# Altium PCB Battery_Converter.PcbDoc (part 1 of 2) (continued)
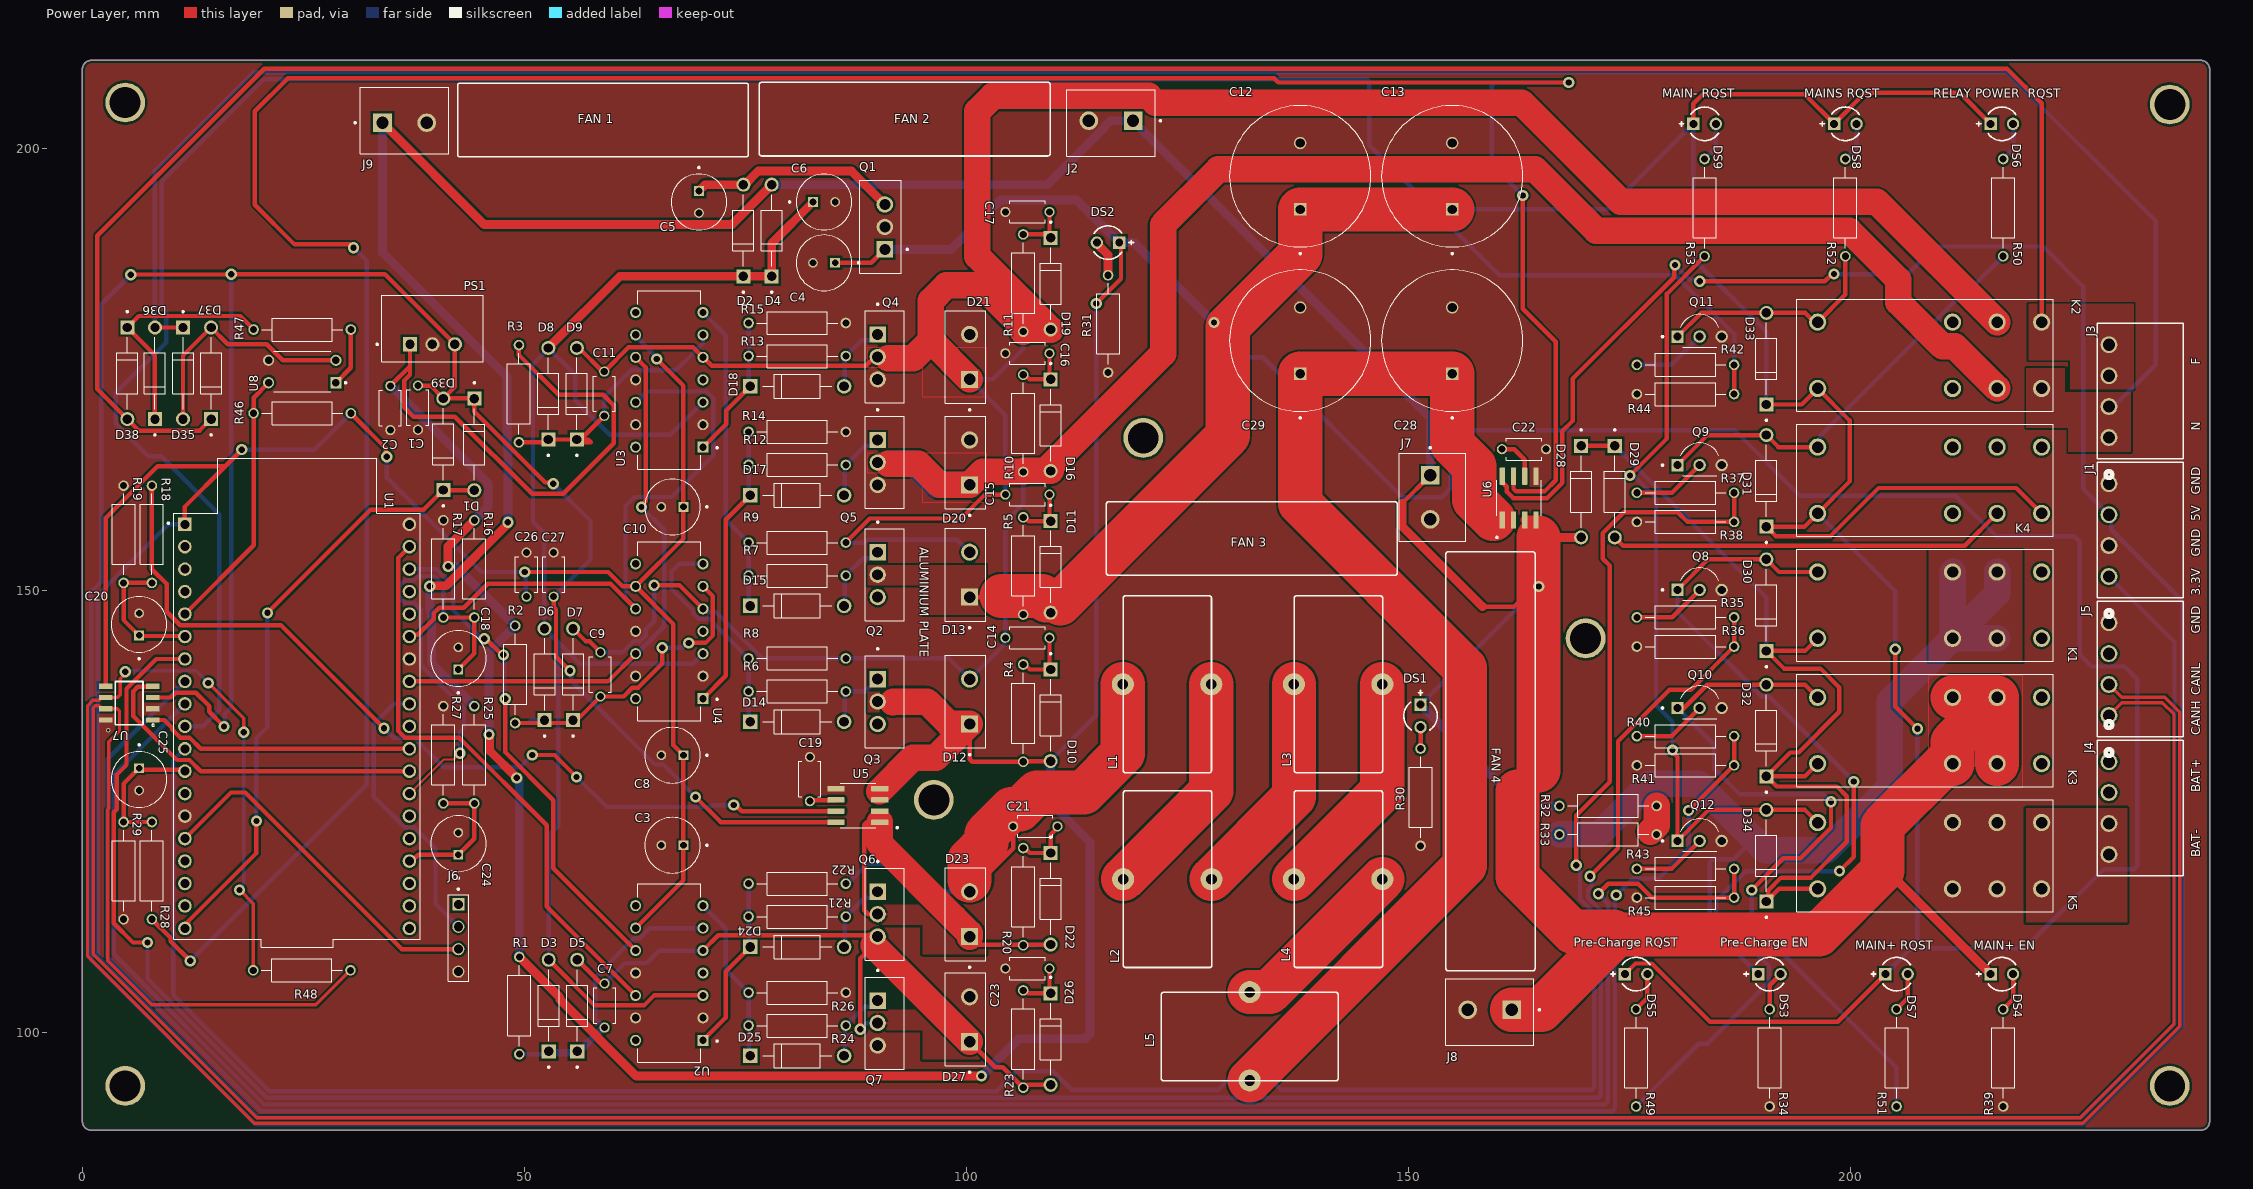
[diagram p0: Power Layer view]
## Components (designator, comment, footprint, x,y, rotation, side; value= is the part's Value field where it differs from the comment) (continued)
? "M3 Mounting Hole" "M3 - Mounting Hole"#1 96.317,126.263 r90 top
? "M3 Mounting Hole" "M3 - Mounting Hole"#1 120.015,167.208 r0 top
? "M3 Mounting Hole" "M3 - Mounting Hole"#2 235.894,204.931 r0 top
? "M3 Mounting Hole" "M3 - Mounting Hole"#1 236.144,93.9 r0 top
? "M3 Mounting Hole" "M3 - Mounting Hole"#1 4.836,205.156 r0 top
? "M3 Mounting Hole" "M3 - Mounting Hole"#3 9.169,93.066 r0 top

## Footprints (in the part's own frame and the unit in brackets; to place one, negate y for a bottom-side part, rotate by r counter-clockwise, add the part's x,y. Pads: shape width x height; smd on the part's side, far side on the other; paste and mask are expansions set on the pad)
"1N4007 DIODE" [mm]
  round 1.65 hole 1.1: A(5.3,0)
  rect 1.65x1.65 / inner round 1.65 / far side rect 1.65x1.65 hole 1.1: C(-5.3,0)
  silkscreen extent -3.9,-1.35 3.9,1.35, body extent -4.24,-1 4.24,1, height 2
"4-POS 2.54mm Header" [mm]
  rect 1.37x1.37 hole 1.02: 1(0,0)
  round 1.37 hole 1.02: 2(2.54,0) 3(5.08,0) 4(7.62,0)
  silkscreen extent -1.82,-1.17 8.69,1.17
"4P - Right 3.5mm Industrial Connector" [mil]
  round 75 / inner round 60 / far side round 75 hole 55 paste-99999 mask+0: 1(0,0) 2(137.8,0) 3(275.59,0) 4(413.39,0)
  silkscreen extent -180,-332 509,52, body extent -80,-317 494,45, height 274
2200uF_Cap [mm]
  round 1.4 hole 1.05: N(3.75,0)
  rect 1.4x1.4 hole 1.05: P(-3.75,0)
  silkscreen extent -8.85,-8 8,8, body extent -8,-8 8,8, height 31.5
ACS712 [mm]
  rrect25% 1.97x0.6 smd: 1(-2.475,1.905) 2(-2.475,0.635) 3(-2.475,-0.635) 4(-2.475,-1.905) 5(2.475,-1.905) 6(2.475,-0.635) 7(2.475,0.635) 8(2.475,1.905)
  silkscreen extent -4.54,-2.53 2,2.6, body extent -3,-2.45 3,2.45, height 1.75
bc548 [mm]
  rect 1.4x1.4 hole 0.93: 1(-2.5,-0.655)
  round 1.4 hole 0.93: 2(0,-0.655) 3(2.5,-0.655)
  silkscreen extent -4.3,-1.85 2.18,1.85, body extent -2.4,-1.53 2.4,2.4, height 7.74
CAP_10uF [mm]
  round 1.1 hole 0.75: N(1.25,0)
  rect 1.1x1.1 hole 0.75: P(-1.25,0)
  silkscreen extent -4,-3.15 3.15,3.15, body extent -3.15,-3.15 3.15,3.15, height 11.2
"Ceramic Capacitor" [mm] "22pF"
  round 1.15 hole 0.8: 1(-2.5,0) 2(2.5,0)
  silkscreen extent -2,-1.25 2,1.25, body extent -2.75,-1.25 2.75,1.25, height 5.5
"Coil 65125" [mm]
  round 2.5 hole 1.2: 1(0,0) 2(10,0)
  silkscreen extent 0.03,-10 10.03,10
"Common Trhough Hole" [mm]
  rect 1.59x1.59 / inner round 1.59 / far side rect 1.59x1.59 hole 1.06: 1(-5.18,0)
  round 1.59 hole 1.06: 2(5.18,0)
  silkscreen extent -7.07,-1.19 4.07,1.19, body extent -5.29,-1.36 5.29,1.36, height 2.72
CONV_R-78K5.0-0.5 [mm]
  rect 1.605x1.605 / inner round 1.605 / far side rect 1.605x1.605 hole 1.07: 1(-2.54,-1.775)
  round 1.605 hole 1.07: 2(0,-1.775) 3(2.54,-1.775)
  silkscreen extent -6.35,-3.77 5.75,3.77, body extent -5.75,-3.77 5.75,3.77, height 10.2
IR2110 [mm]
  rect 1.25x1.25 / inner round 1.25 / far side rect 1.25x1.25 hole 0.83: 1(-3.81,7.62)
  round 1.25 hole 0.83: 2(-3.81,5.08) 3(-3.81,2.54) 4(-3.81,0) 5(-3.81,-2.54) 6(-3.81,-5.08) 7(-3.81,-7.62) 8(3.81,-7.62) 9(3.81,-5.08) 10(3.81,-2.54) 11(3.81,0) 12(3.81,2.54) 13(3.81,5.08) 14(3.81,7.62)
  silkscreen extent -5.5,-10.1 3.56,10.1, body extent -3.96,-9.65 3.96,9.65, height 5.33
IRF530N [mm]
  rect 1.845x1.845 hole 1.23: 1(-2.54,-0.81)
  round 1.845 hole 1.23: 2(0,-0.81) 3(2.54,-0.81)
  silkscreen extent -6.06,-2.22 5.21,2.22, body extent -5.21,-2.22 5.21,2.22, height 19.3
KF301-2P [mm]
  rect 2.1x2.1 hole 1.4: 1(-2.5,0)
  round 2.1 hole 1.4: 2(2.5,0)
  silkscreen extent -5.7,-3.5 5,4, body extent -5,-3.2 5,4.5, height 10
LED3mm [mm] "THD, 2-Leads, Dia 3.8mm, Pitch 2.54mm"
  rect 1.4x1.4 hole 0.9: 1(-1.27,0)
  round 1.4 hole 0.9: 2(1.27,0)
  silkscreen extent -2.87,-1.9 1.58,1.9, body extent -1.9,-1.9 1.9,1.9, height 6.5
LM7805CT [mm]
  rect 1.86x1.86 hole 1.24: 1(-2.54,0)
  round 1.86 hole 1.24: 2(0,0) 3(2.54,0)
  silkscreen extent -5.27,-2.64 5.27,2.86
"M3 - Mounting Hole"#1 [mm]
  round 4.5 / inner round 1.524 / far side round 4.5 hole 3.5: 1(0,0)
"M3 - Mounting Hole"#2 [mm]
  round 4.5 / inner round 1.524 / far side round 4.5 hole 3.5: 1(0.254,0)
"M3 - Mounting Hole"#3 [mm]
  round 4.5 / inner round 1.524 / far side round 4.5 hole 3.5: 1(-4.333,0.834)
MBR10100 [mm]
  rect 1.94x1.94 / inner round 1.94 / far side rect 1.94x1.94 hole 1.29: 1(-2.54,-0.453)
  round 1.94 hole 1.29: 3(2.54,-0.453)
  silkscreen extent -6.1,-2.3 5.25,2.3, body extent -4.98,-1.78 4.98,2.66, height 19.05
MCP2562-E/SN [mm]
  rect 1.5x0.6 smd: 1(-2.65,1.905) 2(-2.65,0.635) 3(-2.65,-0.635) 4(-2.65,-1.905) 5(2.65,-1.905) 6(2.65,-0.635) 7(2.65,0.635) 8(2.65,1.905)
  silkscreen extent -2.84,-2.45 1.58,2.64
MODULE_ESP32-DEVKITC-32U [mm]
  rect 1.53x1.53 / inner round 1.53 / far side rect 1.53x1.53 hole 1.02 mask+0.05: 1(-12.7,22.85)
  round 1.53 hole 1.02 mask+0.05: 2(-12.7,20.31) 3(-12.7,17.77) 4(-12.7,15.23) 5(-12.7,12.69) 6(-12.7,10.15) 7(-12.7,7.61) 8(-12.7,5.07) 9(-12.7,2.53) 10(-12.7,-0.01) 11(-12.7,-2.55) 12(-12.7,-5.09) 13(-12.7,-7.63) 14(-12.7,-10.17) 15(-12.7,-12.71) 16(-12.7,-15.25) 17(-12.7,-17.79) 18(-12.7,-20.33) 19(-12.7,-22.87) 20(12.7,-22.87) 21(12.7,-20.33) 22(12.7,-17.79) 23(12.7,-15.25) 24(12.7,-12.71) 25(12.7,-10.17) 26(12.7,-7.63) 27(12.7,-5.09) 28(12.7,-2.55) 29(12.7,-0.01) 30(12.7,2.53) 31(12.7,5.07) 32(12.7,7.61) 33(12.7,10.15) 34(12.7,12.69) 35(12.7,15.23) 36(12.7,17.77) 37(12.7,20.31) 38(12.7,22.85)
  silkscreen extent -14.67,-25 13.95,30.3, body extent -13.95,-24.62 13.95,30.3, height 7.95
PC817 [mm]
  rect 1.26x1.26 / inner round 1.26 / far side rect 1.26x1.26 hole 0.84: 1(-3.81,1.27)
  round 1.26 hole 0.84: 2(-3.81,-1.27) 3(3.81,-1.27) 4(3.81,1.27)
  silkscreen extent -5.01,-2.3 3.25,2.3, body extent -3.94,-2.3 3.94,2.3, height 4.55
"Relay socket 8pin" [mm]
  round 1.95 hole 1.3: 11(7.63,-3.75) 12(2.59,-3.75) 14(12.67,-3.75) 21(7.63,3.75) 22(2.59,3.75) 24(12.67,3.75) A1(-12.67,-3.75) A2(-12.67,3.75)
  silkscreen extent -15.02,-6.35 13.98,6.35, body extent -15.48,-6.2 15.48,6.45, height 8.9
"Resistor_Through Hole" [mm]
  round 1.2 hole 0.8: 1(-5.5,0) 2(5.5,0)
  silkscreen extent -4.58,-1.3 4.58,1.3, body extent -5.84,-1.29 5.71,1.29, height 2.6

## Part data
C1 C2 C14 C15 C16 C17 C21 C23 C26 C27: Package="0805 AVX", Availability="In Stock", Check_prices=https://www.snapeda.com/parts/LD051A121KAB2A/AVX/view-part/?ref=eda, MF=AVX, MP=LD051A121KAB2A, Price=None, Purchase-URL=https://pricing.snapeda.com/search/part/LD051A121KAB2A/?ref=eda, SnapEDA_Link=https://www.snapeda.com/parts/LD051A121KAB2A/AVX/view-part/?ref=snap
C3 C4 C6 C8 C10 C12 C13 C18 C20 C24 C25 C28 C29: "CAP ALUM 10UF 20% 50V RADIAL", Package="RADIAL-2 Panasonic", Availability="In Stock", Check_prices=https://www.snapeda.com/parts/ECE-A1HN100UI/Panasonic/view-part/2321690/?ref=eda, MF=Panasonic, MP=ECE-A1HN100UI, Price=None, SnapEDA_Link=https://www.snapeda.com/parts/ECE-A1HN100UI/Panasonic/view-part/2321690/?ref=snap
C5: library part "10uF Cap", "CAP ALUM 10UF 20% 50V RADIAL", Package="RADIAL-2 Panasonic", Availability="In Stock", Check_prices=https://www.snapeda.com/parts/ECE-A1HN100UI/Panasonic/view-part/2321690/?ref=eda, MF=Panasonic, MP=ECE-A1HN100UI, Price=None, SnapEDA_Link=https://www.snapeda.com/parts/ECE-A1HN100UI/Panasonic/view-part/2321690/?ref=snap
C7 C9 C11 C19 C22: library part "Ceramic Capacitor", Package="0805 AVX", Availability="In Stock", Check_prices=https://www.snapeda.com/parts/LD051A121KAB2A/AVX/view-part/?ref=eda, MF=AVX, MP=LD051A121KAB2A, Price=None, Purchase-URL=https://pricing.snapeda.com/search/part/LD051A121KAB2A/?ref=eda, SnapEDA_Link=https://www.snapeda.com/parts/LD051A121KAB2A/AVX/view-part/?ref=snap
D1 D2 D4 D12 D13 D20 D21 D23 D27 D39: Package="DO-41 Diodes Inc.", Availability="In Stock", Check_prices=https://www.snapeda.com/parts/1N5817-T/Diodes+Inc./view-part/?ref=eda, MF="Diodes Inc.", MP=1N5817-T, Price=None, Purchase-URL=https://pricing.snapeda.com/search/part/1N5817-T/?ref=eda, SnapEDA_Link=https://www.snapeda.com/parts/1N5817-T/Diodes+Inc./view-part/?ref=snap
D3 D6 D8 D28 D29: library part "Normal Diode", Package="DO-41 NTE Electronics", Availability="In Stock", Check_prices=https://www.snapeda.com/parts/1N4007/NTE+Electronics/view-part/?ref=eda, MF="NTE Electronics, Inc.", MP=1N4007, Price=None, Purchase-URL=https://pricing.snapeda.com/search/part/1N4007/?ref=eda, SnapEDA_Link=https://www.snapeda.com/parts/1N4007/NTE+Electronics/view-part/?ref=snap
D5 D7 D9: library part "Zener Diode", Package="SMA-2 Taiwan Semiconductor", Availability="In Stock", Check_prices=https://www.snapeda.com/parts/1SMA5926/Taiwan+Semiconductor/view-part/?ref=eda, MF="Taiwan Semiconductor", MP=1SMA5926, Price=None, Purchase-URL=https://pricing.snapeda.com/search/part/1SMA5926/?ref=eda, SnapEDA_Link=https://www.snapeda.com/parts/1SMA5926/Taiwan+Semiconductor/view-part/?ref=snap
D10 D11 D16 D19 D22 D26 D30 D31 D32 D33 D34 D35 D36 D37 D38: Package="DO-41 NTE Electronics", Availability="In Stock", Check_prices=https://www.snapeda.com/parts/1N4007/NTE+Electronics/view-part/?ref=eda, MF="NTE Electronics, Inc.", MP=1N4007, Price=None, Purchase-URL=https://pricing.snapeda.com/search/part/1N4007/?ref=eda, SnapEDA_Link=https://www.snapeda.com/parts/1N4007/NTE+Electronics/view-part/?ref=snap
D14 D15 D17 D18 D24 D25: library part 1N4007, "Diode Standard 1000 V 1A Through Hole DO-41", Package="DO-41 NTE Electronics", Availability="In Stock", Check_prices=https://www.snapeda.com/parts/1N4007/NTE+Electronics/view-part/?ref=eda, MF="NTE Electronics, Inc.", MP=1N4007, Price=None, Purchase-URL=https://pricing.snapeda.com/search/part/1N4007/?ref=eda, SnapEDA_Link=https://www.snapeda.com/parts/1N4007/NTE+Electronics/view-part/?ref=snap
DS1 DS2 DS3 DS4 DS5 DS6 DS7 DS8 DS9: library part "RED_LED 3mm", "Radial LED, 12.6 mcd, 20 mA, 2 V, -55 to 100 degC, 2-Pin THD, RoHS, Bulk", Case\Package=Radial, Current Rating="3.6 A", Max Operating Temperature="130 degC", Min Operating Temperature="-40 degC", Package Quantity=55, Resistance="0.045 Ohm", Tolerance=20%, ComponentLink1Description="Manufacturer URL", ComponentLink1URL=http://www.us.liteon.com/, ComponentLink2Description=Datasheet, ComponentLink2URL=https://datasheet.ciiva.com/15117/getdatasheetpartid-187746-15117985.pdf, DatasheetVersion=Dec-03, Height="1.1 inch", Lead Pitch="11.44 mm", Length="0.97 inch", Mount="Through Hole", PackageDescription="2-Pin Through Hole Device, Dia 3.8 mm, Pitch 2.54 mm", PackageReference=LTL-1CHE, Packaging=Tray, Radiation Hardening=No, RoHSCompliant=true, Shielding=Unshielded, Width="0.62 inch"
J1 J3 J4 J5 J6 Q1: Package=None, Availability=Unavailable, Price=None
  J1 J3 J4 J5 J6: MP=5-146290-4
  Q1: MP=LM7805CT/NOPB
J2 J7 J8 J9: "2 Pin Terminal Block 5mm Pitch", Package=None, Availability=Unavailable, MP=KF301-2P, Price=None
K1 K2 K3 K4 K5: "General Purpose Relay DPDT _2 Form C_ 24VDC Coil Through Hole", Package=None, Availability=Unavailable, MF="TE Connectivity", MP=1-1393243-0, Price=None, SnapEDA_Link=https://www.snapeda.com/parts/1-1393243-0/TE%20Connectivity%20Potter%20&%20Brumfield%20Relays/view-part/244556/?ref=snap
L1 L2 L3 L4 L5: "Inductor Power Wirewound 470uH 10% 1KHz 25Q-Factor Ferrite 210mA 3.3Ohm DCR T/R", Package="Nonstandard Bourns", Digi-Key_Part_Number=SDR0604-471KLCT-ND, Digi-Key_Purchase_URL=https://www.digikey.com/product-detail/en/bourns-inc/SDR0604-471KL/SDR0604-471KLCT-ND/2352941?utm_source=snapeda&utm_medium=aggregator&utm_campaign=symbol, MF=Bourns, MP=SDR0604-471KL, SnapEDA_Link=https://www.snapeda.com/parts/SDR0604-471KL/Bourns/view-part/567387/?ref=snap
PS1: "0.5A DC/DC-Converter 'INNOLINE' SIP3 reg", Package=None, Availability="In Stock", Check_prices=https://www.snapeda.com/parts/R-78K5.0-0.5/Recom+Power/view-part/?ref=eda, MF="Recom Power", MP=R-78K5.0-0.5, Price=None, Purchase-URL=https://pricing.snapeda.com/search/part/R-78K5.0-0.5/?ref=eda, SnapEDA_Link=https://www.snapeda.com/parts/R-78K5.0-0.5/Recom+Power/view-part/?ref=snap
Q2 Q3 Q4 Q5 Q6 Q7: "RoHS Compliant", Package="TO-220 Infineon", Availability="In Stock", Check_prices=https://www.snapeda.com/parts/IRF530NPBF/Infineon+Technologies/view-part/?ref=eda, MF="Infineon Technologies", MP=IRF530NPBF, Price=None, Purchase-URL=https://pricing.snapeda.com/search/part/IRF530NPBF/?ref=eda, SnapEDA_Link=https://www.snapeda.com/parts/IRF530NPBF/Infineon+Technologies/view-part/?ref=snap
Q8 Q9 Q10 Q11 Q12: "Bipolar (BJT) Transistor NPN 30V 100mA 300MHz 500mW Through Hole TO-92-3", Package="TO-92 ON Semiconductor", Availability=Warning, DigiKey-Purchase-URL=https://snapeda.com/shop?store=DigiKey&id=2007035, MF="ON Semiconductor", MP=BC548, Price=None, SnapEDA_Link=https://www.snapeda.com/parts/BC548/ON%20Semiconductor/view-part/2007035/?ref=snap
R1 R2 R3 R4 R5 R10 R11 R20 R23 R32 R33 R46 R47 R48: Package=0805, Power_Rating=".25 W", Resistance=.33, Tolerance=1%, Availability="In Stock", Check_prices=https://www.snapeda.com/parts/2-2176053-0/TE+Connectivity/view-part/?ref=eda, EU_RoHS_Compliance="Compliant with Exemptions", MF="TE Connectivity", MP=2-2176053-0, Price=None, SnapEDA_Link=https://www.snapeda.com/parts/2-2176053-0/TE+Connectivity/view-part/?ref=snap
R6 R7 R12 R13 R16 R17 R18 R19 R21 R24 R25 R27 R28 R29: library part "Resistor_Through Hole", "1.02 Ohms Â±1% 0.25W, 1/4W Through Hole Resistor Axial Metal Film", Package="Axial Yageo", Availability=Warning, Check_prices=https://www.snapeda.com/parts/MFR-25FTE52-1R/Yageo/view-part/4629919/?ref=eda, MF=Yageo, MP=MFR-25FTE52-1R, Price=None, Purchase-URL=https://pricing.snapeda.com/search/part/MFR-25FTE52-1R/?ref=eda, SnapEDA_Link=https://www.snapeda.com/parts/MFR-25FTE52-1R/Yageo/view-part/4629919/?ref=snap
R8 R9 R14 R15 R22 R26: library part Resistor, Package=0805, Power_Rating=".25 W", Resistance=.33, Tolerance=1%, Availability="In Stock", Check_prices=https://www.snapeda.com/parts/2-2176053-0/TE+Connectivity/view-part/?ref=eda, EU_RoHS_Compliance="Compliant with Exemptions", MF="TE Connectivity", MP=2-2176053-0, Price=None, SnapEDA_Link=https://www.snapeda.com/parts/2-2176053-0/TE+Connectivity/view-part/?ref=snap
R30 R31 R34 R35 R36 R37 R38 R39 R40 R41 R42 R43 R44 R45 R49 R50 R51 R52 R53: "1.02 Ohms Â±1% 0.25W, 1/4W Through Hole Resistor Axial Metal Film", Package="Axial Yageo", Availability=Warning, Check_prices=https://www.snapeda.com/parts/MFR-25FTE52-1R/Yageo/view-part/4629919/?ref=eda, MF=Yageo, MP=MFR-25FTE52-1R, Price=None, Purchase-URL=https://pricing.snapeda.com/search/part/MFR-25FTE52-1R/?ref=eda, SnapEDA_Link=https://www.snapeda.com/parts/MFR-25FTE52-1R/Yageo/view-part/4629919/?ref=snap
U1: "ESP32-WROOM-32UE series Transceiver; 802.11 b/g/n (Wi-Fi, WiFi, WLAN), BluetoothÂ® Smart Ready 4.x Dual Mode Evaluation Board", Package=None, Availability="In Stock", Check_prices=https://www.snapeda.com/parts/ESP32-DEVKITC-32U/Espressif+Systems/view-part/?ref=eda, MF="Espressif Systems", MP=ESP32-DEVKITC-32U, Price=None, Purchase-URL=https://pricing.snapeda.com/search/part/ESP32-DEVKITC-32U/?ref=eda, SnapEDA_Link=https://www.snapeda.com/parts/ESP32-DEVKITC-32U/Espressif+Systems/view-part/?ref=snap
U2 U3 U4: "Half-Bridge Gate Driver IC Non-Inverting 16-SOIC", Package="SOIC-16 International Rectifier", Availability="In Stock", Check_prices=https://www.snapeda.com/parts/IR2110/Infineon+Technologies/view-part/?ref=eda, MF=Infineon, MP=IR2110, Price=None, Purchase-URL=https://pricing.snapeda.com/search/part/IR2110/?ref=eda, SnapEDA_Link=https://www.snapeda.com/parts/IR2110/Infineon+Technologies/view-part/?ref=snap
U5 U6: "Current Sensor 5A 1 Channel Hall Effect, Open Loop Bidirectional 8-SOIC (0.154, 3.90mm Width)", Package="SOIC-8 Allegro MicroSystems LLC", Availability="In Stock", Check_prices=https://www.snapeda.com/parts/ACS712ELCTR-05B-T/Allegro+MicroSystems+LLC/view-part/?ref=eda, MF="Allegro MicroSystems LLC", MP=ACS712ELCTR-05B-T, Price=None, Purchase-URL=https://pricing.snapeda.com/search/part/ACS712ELCTR-05B-T/?ref=eda, SnapEDA_Link=https://www.snapeda.com/parts/ACS712ELCTR-05B-T/Allegro+MicroSystems+LLC/view-part/?ref=snap
U7: "1/1 Transceiver Half CANbus 8-SOIC", Package="SO-8 Microchip", Availability=Unavailable, MF=Microchip, MP=MCP2562-E/SN, Price=None, SnapEDA_Link=https://www.snapeda.com/parts/MCP2562-E/SN/Microchip/view-part/1055306/?ref=snap
U8: "Optoisolator Transistor Output - 1 Channel 4-DIP", Package="DIP-4 Sharp Microelectronics", Availability="In Stock", Check_prices=https://www.snapeda.com/parts/PC817X3NSZ1B/Sharp+Microelectronics/view-part/?ref=eda, MF="Sharp Microelectronics", MP=PC817X3NSZ1B, Price=None, Purchase-URL=https://pricing.snapeda.com/search/part/PC817X3NSZ1B/?ref=eda, SnapEDA_Link=https://www.snapeda.com/parts/PC817X3NSZ1B/Sharp+Microelectronics/view-part/?ref=snap

## Via types
v1: diameter 1.27, hole 0.711, Power Layer to Signal Layer, tented both sides, 59 vias
v2: diameter 0.5, hole 0.3, Power Layer to Signal Layer, tented both sides, 1 vias

## Nets (pads, with @x,y where several pads share a name; then routed paths per layer and width w, separated by ;. In a path a pad name is that pad's centre, name@x,y a point inside that pad or via, vN(x,y) a via of type N, cw(c..) or ccw(c..) an arc to the next point about the centre after c; other vN are vias at no path point)
+3.3: C3.P C8.P C10.P C26.2 J1.1 R46.2 U1.1 U2.9 U3.9 U4.9 U7.5 | length 536
  Power Layer w0.5: U7.5@2.645,139.116 2.645,158.154 8.499,164.008 16.154,164.008 ; U1.1@11.594,157.445 11.594,159.448 16.154,164.008 ; v1(18.034,165.887) 16.154,164.008 ; R46.2@30.37,170.002 34.295,166.077 34.295,165.222 v1(34.442,165.075) ; v1(50.038,152.044) 59.486,152.044 61.112,150.419 U4.9@62.586,150.419 ; U2.9@62.586,111.76 67.996,117.17 C3.P@67.996,121.133 C8.P@67.996,131.318 66.853,132.461 66.853,146.152 U4.9@62.586,150.419 ; v1(64.973,176.149) 67.996,173.126 C10.P@67.996,159.41 67.996,155.829 U4.9@62.586,150.419
  Signal Layer w0.5: U1.1@11.594,157.445 9.735,157.445 1.753,149.462 1.753,108.458 19.914,90.297 226.06,90.297 236.677,100.914 236.677,144.119 J1.1@229.26,151.536 ; v1(18.034,165.887) 26.255,165.887 R46.2@30.37,170.002 ; v1(34.442,165.075) 34.442,162.726 45.124,152.044 v1(50.038,152.044) 50.14,151.943 50.14,149.352 C26.2@50.241,149.25 ; U3.9@62.586,178.867 62.586,178.701 64.973,176.314 v1(64.973,176.149)
+5: C1.2 C27.2 D1.1 D39.2 J1.3 PS1.3 U5.8 U6.8 U7.3 | length 698.5
  Power Layer w0.5: v1(5.461,185.674) 5.486,185.699 16.815,185.699 v1(16.84,185.725) 34.221,185.725 PS1.3@42.143,177.803 42.143,172.99 D39.2@40.83,171.677 ; U7.3@7.945,137.846 10.009,137.846 10.557,138.394 12.838,138.394 14.359,136.873 14.359,136.238 v1(16.027,134.569) ; C1.2@37.96,173.137 39.37,173.137 D39.2@40.83,171.677 ; v1(53.264,162.027) 53.116,162.174 52.364,162.174 44.335,170.203 D1.1@44.335,171.652 44.31,171.677 D39.2@40.83,171.677 ; C27.2@53.315,149.25 53.315,148.073 53.581,147.807 53.581,142.457 v1(55.169,140.868) ; v1(69.367,126.594) 72.238,123.723 U5.8@85.257,123.723 ; U6.8@160.63,162.876 160.63,162.191 161.146,161.675 161.146,161.144 161.88,160.409 165.717,160.409 167.426,162.118 167.426,167.985 168.58,169.139 168.58,173.899 180.07,185.389 180.07,186.681 v1(180.162,186.774) ; v1(182.982,184.937) 197.124,184.937 197.937,185.75 v1(198.145,185.75)
  Signal Layer w0.5: v1(5.461,185.674) 2.134,182.347 2.134,150.909 0.999,149.774 0.999,108.146 19.601,89.543 226.372,89.543 237.566,100.737 237.566,148.79 229.522,156.834 229.522,158.274 J1.3@229.26,158.536 226.339,161.457 226.339,184.353 221.821,188.872 209.615,188.872 206.493,185.75 v1(198.145,185.75) ; v1(16.027,134.569) 16.091,134.633 16.091,135.954 16.84,136.703 v1(16.84,185.725) ; v1(53.264,162.027) 57.48,157.81 57.48,153.416 C27.2@53.315,149.25 ; v1(55.169,140.868) 55.316,140.721 55.316,139.727 64.779,130.264 65.697,130.264 v1(69.367,126.594) ; v1(180.162,186.774) 181.851,185.085 182.834,185.085 v1(182.982,184.937)
+12: D4.2 D28.2 DS1.1 DS4.1 J2.1 J7.1 J8.1 J9.1 K3.11 K3.12 K3.21 K3.22 R25.2 R32.1 U6.3 U6.4 | length 471.8
  Power Layer w0.5: 149.276,159.802 J7.1@152.476,163.003 ; 158.42,148.133 161.95,148.133 163.17,149.352 U6.3@163.17,157.926 ; 162.357,127.203 164.186,129.032 165.303,129.032 ; U6.4@164.44,157.926 164.44,157.531 165.227,157.531 ; v1(164.744,150.393) 164.744,155.947 ; 203.632,118.249 203.632,118.522 203.905,118.522
  Power Layer w1: J9.1@33.949,202.87 45.469,191.35 73.47,191.35 D4.2@77.978,195.858 ; v1(39.294,150.444) 39.345,150.496 41.157,150.496 48.081,157.42 48.081,157.632 v1(48.133,157.683) ; 149.276,159.802 149.276,157.251 158.394,148.133 ; U6.3@163.17,157.926 U6.4@164.44,157.926 ; 165.227,157.531 166.8,155.958 D28.2@169.545,155.958 ; 203.905,118.522 DS4.1@215.875,106.552
  Power Layer w5: J8.1@161.718,102.514 165.049,102.514 173.203,110.668 ; 162.357,127.203 162.357,117.577 168.58,111.354 173.203,111.354 ; 164.744,129.591 164.744,148.133 164.744,155.947 ; 173.203,111.049 196.431,111.049 203.632,118.249 203.632,123.317 210.677,130.362 K3.12@211.567,130.362 211.567,132.822 214.087,135.342 ; K3.22@211.567,137.862 K3.21@216.607,137.862 K3.11@216.607,130.362
  Signal Layer w0.5: DS1.1@151.384,137.033 v1(164.744,150.393) ; K3.12@211.567,130.362 K3.11@216.607,130.362
  Signal Layer w1: J9.1@33.949,202.87 33.949,188.198 48.033,174.114 48.033,166.152 48.133,166.051 v1(48.133,157.683) ; v1(39.294,150.444) 39.294,147.732 39.476,147.55 39.476,141.728 R25.2@44.335,136.869 ; D4.2@77.978,195.858 109.168,195.858 115.661,202.351 115.661,202.452 116.307,203.098 J2.1@118.857,203.098 152.476,169.48 J7.1@152.476,163.003 ; DS1.1@151.384,137.033 162.839,125.578 R32.1@167.093,125.578
+24: C2.2 C4.P C12.P C13.P D10.2 D11.2 D12.1 D13.1 D31.1 D33.1 DS2.1 DS5.1 DS6.1 DS7.1 DS8.1 DS9.1 K2.A1 K4.14 K4.A1 PS1.1 Q1.1 Q2.2 Q3.2 R1.2 R2.2 R3.2 R4.2 R5.2 R16.1 U5.3 U5.4 | length 937.3
  Power Layer w0.5: C2.2@34.835,173.101 37.063,175.328 ; PS1.1@37.063,177.803 37.063,175.328 ; R3.2@49.387,177.712 49.387,176.597 53.899,172.085 58.928,172.085 60.122,170.891 60.122,166.599 54.407,160.884 50.876,160.884 42.139,169.621 37.465,169.621 36.398,170.688 36.398,173.707 37.063,174.371 37.063,175.328 ; C4.P@85.152,187.02 89.254,187.02 Q1.1@90.778,188.544 ; Q3.2@89.968,137.389 91.66,137.389 ; U5.4@90.207,127.533 91.897,127.533 ; D12.1@100.372,134.849 100.372,130.874 100.665,130.581 R4.2@106.435,130.581 106.469,130.616 109.499,130.616 D10.2@109.533,130.651 ; D13.1@100.372,149.2 102.789,149.2 104.759,147.23 R5.2@106.435,147.23 ; 109.062,148.824 109.062,148.666 109.533,148.666 109.533,148.514 ; D11.2@109.533,147.44 109.533,148.514 ; 110.617,148.514 109.533,148.514 ; v1(114.706,182.423) 117.497,185.214 DS2.1@117.497,189.506 ; DS5.1@174.498,106.553 175.702,107.757 177.537,107.757 184.125,101.168 198.578,101.168 DS7.1@203.962,106.552 ; DS9.1@182.245,202.742 182.245,205.003 183.337,206.096 194.817,206.096 DS8.1@198.171,202.742 201.677,206.248 212.369,206.248 DS6.1@215.875,202.742 ; D33.1@190.511,170.994 194.496,170.994 K2.A1@196.307,172.805 199.923,169.189 199.923,162.29 K4.A1@196.307,158.674 194.81,157.177 D31.1@190.511,157.177 191.579,156.108 197.764,156.108 203.2,161.544 218.777,161.544 K4.14@221.647,158.674 ; v1(205.08,143.307) 205.08,136.83 v1(207.594,134.315)
  Power Layer w1: v1(41.377,152.679) 41.377,154.942 R16.1@44.335,157.9 ; v1(45.999,133.655) 46.051,133.603 46.051,131.851 v1(49.149,128.753) ; R1.2@49.428,108.497 53.998,103.927 53.998,103.7 62.677,95.021 v1(101.702,95.021) ; DS2.1@117.297,189.306 DS2.1@117.497,189.506
  Power Layer w3: 90.145,127.229 93.955,131.039 96.559,131.039 D12.1@100.369,134.849 ; 91.66,137.295 91.754,137.389 95.529,137.389 98.069,134.849 D12.1@100.369,134.849 ; D12.1@100.372,134.849 D12.1@100.369,134.849
  Power Layer w5: 104.013,149.327 108.56,149.327 109.062,148.824 ; 110.617,148.514 129.578,167.474 129.578,179.793 137.77,187.986 C12.P@137.77,193.065 C13.P@154.965,193.065
  Signal Layer w0.5: D10.2@109.533,130.651 114.706,135.824 v1(114.706,182.423) ; v1(128.016,180.264) 131.953,176.327 133.528,176.327 149.352,160.503 153.772,160.503 154.813,161.544 154.813,166.624 156.286,168.097 186.893,168.097 194.31,160.68 211.912,160.68 216.484,156.108 225.298,156.108 225.958,155.448 225.958,142.697 227.305,141.351 231.013,141.351 232.461,139.903 232.461,118.796 232.105,118.44 228.702,118.44 219.735,109.473 207.594,109.473 207.594,110.185 ; C13.P@154.965,193.065 172.568,193.065 DS9.1@182.245,202.742 182.245,187.477 190.511,179.211 D33.1@190.511,170.994 ; K4.A1@196.307,158.674 205.08,149.901 v1(205.08,143.307) ; DS7.1@203.962,106.552 207.594,110.185 ; v1(207.594,134.315) 207.594,110.185
  Signal Layer w1: C2.2@34.835,173.101 34.875,173.101 45.884,162.092 45.884,159.449 R16.1@44.335,157.9 ; v1(41.377,152.679) 41.428,152.628 42.289,152.628 R2.2@48.955,145.962 45.999,143.007 v1(45.999,133.655) ; v1(49.149,128.753) 49.149,128.68 49.428,128.4 R1.2@49.428,108.497 ; Q1.1@90.778,188.544 98.288,188.544 103.858,194.115 112.488,194.115 DS2.1@117.297,189.306 118.974,189.306 v1(128.016,180.264) ; v1(101.702,95.021) 105.918,99.238 113.409,99.238 113.995,99.824 113.995,121.448 109.533,125.91 D10.2@109.533,130.651
CAN_1_N: J5.2 R48.2 U7.6 | length 374.3
  Power Layer w0.381: v1(4.851,140.767) 4.851,140.526 4.292,139.967 4.292,138.171 3.967,137.846 U7.6@2.645,137.846 2.195,137.846 1.878,137.528 1.188,137.528 0.584,136.925 0.584,108.56 19.456,89.687 226.272,89.687 226.458,89.873 237.261,100.677 237.261,136.189 235.569,137.881 230.693,137.881 J5.2@229.26,139.314 ; v1(14.249,139.497) 18.263,135.484 v1(18.263,133.909) ; v1(17.78,116.078) 19.328,114.53 R48.2@19.328,106.985
  Signal Layer w0.381: v1(4.851,140.767) 4.959,140.874 12.872,140.874 v1(14.249,139.497) ; v1(17.78,116.078) 17.78,116.319 18.263,116.801 v1(18.263,133.909)
CAN_1_P: J5.1 R48.1 U7.7 | length 382.1
  Power Layer w0.381: R48.1@30.328,106.985 26.416,103.073 7.849,103.073 2.861,108.06 2.861,125.147 2.997,125.283 2.997,132.842 4.19,134.035 4.19,136.353 3.967,136.576 U7.7@2.645,136.576 2.195,136.576 1.878,136.893 1.451,136.893 1.219,136.662 1.219,108.823 19.719,90.322 226.009,90.322 236.626,100.94 236.626,135.926 235.306,137.246 230.693,137.246 J5.1@229.26,135.814
"Coil Power": D28.1 D29.1 D30.1 D32.1 D34.1 K1.A1 K3.A1 K5.A1 | length 104.9
  Power Layer w0.5: D28.1@169.545,166.318 D29.1@173.355,166.318 ; D34.1@190.511,114.768 D34.1@190.717,114.974 ; K5.A1@196.307,116.198 191.941,116.198 D34.1@190.717,114.974 ; K3.A1@196.307,130.141 K3.A1@196.307,130.362 194.877,128.932 D32.1@190.511,128.932 ; K1.A1@196.307,144.544 194.877,143.114 D30.1@190.511,143.114 192.503,141.122 196.621,141.122 198.755,138.989 198.755,136.22 194.158,131.623 193.201,131.623 D32.1@190.511,128.932 ; D32.1@190.511,128.932 191.669,127.775 198.488,127.775 199.593,126.67 199.593,121.514 195.555,117.475 192.172,117.475 190.717,116.02 D34.1@190.717,114.974
  Signal Layer w0.5: D29.1@173.355,166.318 190.511,149.162 D30.1@190.511,143.114
Driver_VCC: C6.P D2.1 D3.2 D4.1 D6.2 D8.2 U2.3 U3.3 U4.3 | length 173.2
  Power Layer w0.5: D3.2@52.756,108.177 57.922,103.011 63.546,103.011 64.674,104.14 U2.3@70.206,104.14
  Power Layer w1: D8.2@52.714,177.392 60.819,185.498 D2.1@74.778,185.498 D4.1@77.978,185.498 77.978,189.23 C6.P@82.652,193.904
  Signal Layer w0.5: D3.2@52.756,108.177 52.756,122.264 53.823,123.331 53.823,144.101 ; U4.3@70.206,142.799 69.077,141.67 56.254,141.67 53.823,144.101 ; U3.3@70.206,171.247 66.537,167.578 59.647,167.578 55.757,171.468 55.757,174.349 D8.2@52.714,177.392 52.714,177.275 50.978,175.539 50.978,157.702 52.236,156.444 52.236,145.688 D6.2@52.282,145.642 53.823,144.101